# Altium PCB AD9361_EXT.PcbDoc (part 2 of 9) (continued)
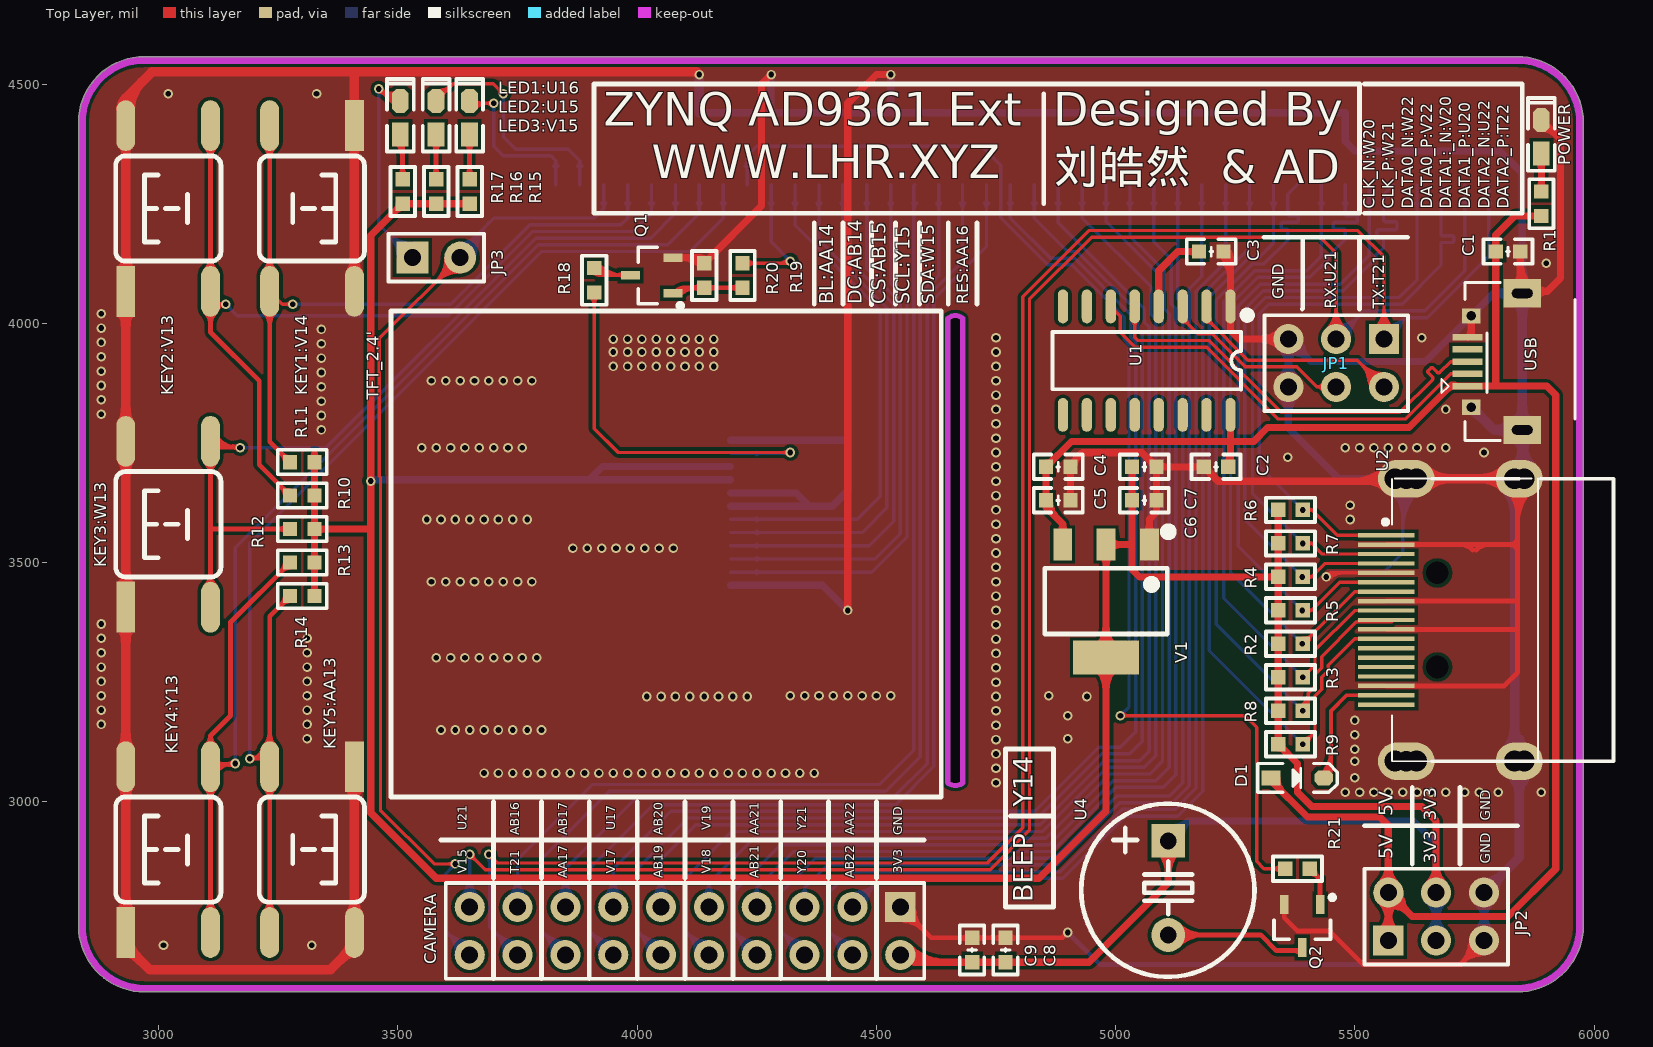
[diagram p0: Top Layer view]
## Nets (pads, with @x,y where several pads share a name; then routed paths per layer and width w, separated by ;. In a path a pad name is that pad's centre, name@x,y a point inside that pad or via, vN(x,y) a via of type N, cw(c..) or ccw(c..) an arc to the next point about the centre after c; other vN are vias at no path point) (continued)
; U2.MH3@5840.31,3653.86 cw(c5848.9,3648.9) U2.MH3@5850.78,3658.65 ; U2.MH3@5840.31,3653.86 cw(c5848.9,3648.9) U2.MH3@5850.78,3658.65 ; U2.MH3@5840.31,3653.86 cw(c5848.9,3648.9) U2.MH3@5850.78,3658.65 ; U2.MH3@5840.31,3653.86 cw(c5848.9,3648.9) U2.MH3@5850.78,3658.65 ; U2.MH3@5840.31,3653.86 cw(c5848.9,3648.9) U2.MH3@5850.78,3658.65 ; U2.MH3@5841.32,3664.13 cw(c5829.7,3654.1) U2.MH3@5842.99,3646.42 ; U2.MH3@5841.32,3664.13 cw(c5829.7,3654.1) U2.MH3@5842.99,3646.42 ; U2.MH3@5841.32,3664.13 cw(c5829.7,3654.1) U2.MH3@5842.99,3646.42 ; U2.MH3@5841.32,3664.13 cw(c5829.7,3654.1) U2.MH3@5842.99,3646.42 ; U2.MH3@5841.32,3664.13 cw(c5829.7,3654.1) U2.MH3@5842.99,3646.42 ; U2.MH3@5841.32,3664.13 cw(c5829.7,3654.1) U2.MH3@5842.99,3646.42 ; U2.MH3@5841.32,3664.13 cw(c5829.7,3654.1) U2.MH3@5842.99,3646.42 ; U2.MH3@5841.32,3664.13 cw(c5829.7,3654.1) U2.MH3@5842.99,3646.42 ; U2.MH3@5841.32,3664.13 cw(c5829.7,3654.1) U2.MH3@5842.99,3646.42 ; U2.MH3@5841.32,3664.13 cw(c5829.7,3654.1) U2.MH3@5842.99,3646.42 ; U2.MH3@5841.32,3664.13 cw(c5829.7,3654.1) U2.MH3@5842.99,3646.42 ; U2.MH3@5841.32,3664.13 cw(c5829.7,3654.1) U2.MH3@5842.99,3646.42 ; U2.MH3@5841.32,3664.13 cw(c5829.7,3654.1) U2.MH3@5842.99,3646.42 ; U2.MH3@5841.32,3664.13 cw(c5829.7,3654.1) U2.MH3@5842.99,3646.42 ; U2.MH3@5841.32,3664.13 cw(c5829.7,3654.1) U2.MH3@5842.99,3646.42 ; U2.MH3@5841.32,3664.13 cw(c5829.7,3654.1) U2.MH3@5842.99,3646.42 ; U2.MH3@5841.32,3664.13 cw(c5829.7,3654.1) U2.MH3@5842.99,3646.42 ; U2.MH3@5841.32,3664.13 cw(c5829.7,3654.1) U2.MH3@5842.99,3646.42 ; U2.MH3@5841.32,3664.13 cw(c5829.7,3654.1) U2.MH3@5842.99,3646.42 ; U2.MH3@5841.32,3664.13 cw(c5829.7,3654.1) U2.MH3@5842.99,3646.42 ; U2.MH3@5841.32,3664.13 cw(c5829.7,3654.1) U2.MH3@5842.99,3646.42 ; U2.MH3@5841.84,3663.55 cw(c5830.47,3652.8) U2.MH3@5844.02,3644.98 ; U2.MH3@5841.84,3663.55 cw(c5830.47,3652.8) U2.MH3@5844.02,3644.98 ; U2.MH3@5841.84,3663.55 cw(c5830.47,3652.8) U2.MH3@5844.02,3644.98 ; U2.MH3@5841.84,3663.55 cw(c5830.47,3652.8) U2.MH3@5844.02,3644.98 ; U2.MH3@5841.84,3663.55 cw(c5830.47,3652.8) U2.MH3@5844.02,3644.98 ; U2.MH3@5841.84,3663.55 cw(c5830.47,3652.8) U2.MH3@5844.02,3644.98 ; U2.MH3@5841.84,3663.55 cw(c5830.47,3652.8) U2.MH3@5844.02,3644.98 ; U2.MH3@5841.84,3663.55 cw(c5830.47,3652.8) U2.MH3@5844.02,3644.98 ; U2.MH3@5841.84,3663.55 cw(c5830.47,3652.8) U2.MH3@5844.02,3644.98 ; U2.MH3@5841.84,3663.55 cw(c5830.47,3652.8) U2.MH3@5844.02,3644.98 ; U2.MH3@5841.84,3663.55 cw(c5830.47,3652.8) U2.MH3@5844.02,3644.98 ; U2.MH3@5841.84,3663.55 cw(c5830.47,3652.8) U2.MH3@5844.02,3644.98 ; U2.MH3@5841.84,3663.55 cw(c5830.47,3652.8) U2.MH3@5844.02,3644.98 ; U2.MH3@5841.84,3663.55 cw(c5830.47,3652.8) U2.MH3@5844.02,3644.98 ; U2.MH3@5841.84,3663.55 cw(c5830.47,3652.8) U2.MH3@5844.02,3644.98 ; U2.MH3@5842.5,3662.9 cw(c5826.22,3645.66) 5846.71,3633.74 ; U2.MH3@5842.5,3662.9 cw(c5826.22,3645.66) 5846.71,3633.74 ; U2.MH3@5842.5,3662.9 cw(c5826.22,3645.66) 5846.71,3633.74 ; U2.MH3@5842.5,3662.9 cw(c5826.22,3645.66) 5846.71,3633.74 ; U2.MH3@5842.5,3662.9 cw(c5826.22,3645.66) 5846.71,3633.74 ; U2.MH3@5842.5,3662.9 cw(c5826.22,3645.66) 5846.71,3633.74 ; U2.MH3@5842.5,3662.9 cw(c5826.22,3645.66) 5846.71,3633.74 ; U2.MH3@5842.5,3662.9 cw(c5826.22,3645.66) 5846.71,3633.74 ; U2.MH3@5842.5,3662.9 cw(c5826.22,3645.66) 5846.71,3633.74 ; U2.MH3@5842.5,3662.9 cw(c5826.22,3645.66) 5846.71,3633.74 ; U2.MH3@5842.5,3662.9 cw(c5826.22,3645.66) 5846.71,3633.74 ; U2.MH3@5842.5,3662.9 cw(c5826.22,3645.66) 5846.71,3633.74 ; U2.MH3@5842.5,3662.9 cw(c5826.22,3645.66) 5846.71,3633.74 ; U2.MH3@5842.5,3662.9 cw(c5826.22,3645.66) 5846.71,3633.74 ; U2.MH3@5842.5,3662.9 cw(c5826.22,3645.66) 5846.71,3633.74 ; U2.MH3@5842.5,3662.9 cw(c5826.22,3645.66) 5846.71,3633.74 ; U2.MH3@5842.5,3662.9 cw(c5826.22,3645.66) 5846.71,3633.74 ; U2.MH3@5842.5,3662.9 cw(c5826.22,3645.66) 5846.71,3633.74 ; U2.MH3@5842.5,3662.9 cw(c5826.22,3645.66) 5846.71,3633.74 ; U2.MH3@5842.5,3662.9 cw(c5826.22,3645.66) 5846.71,3633.74 ; U2.MH3@5842.5,3662.9 cw(c5826.22,3645.66) 5846.71,3633.74 ; U2.MH3@5843.15,3661.13 cw(c5849.06,3652.23) U2.MH3@5857.79,3658.39 ; U2.MH3@5843.15,3661.13 cw(c5849.06,3652.23) U2.MH3@5857.79,3658.39 ; U2.MH3@5843.15,3661.13 cw(c5849.06,3652.23) U2.MH3@5857.79,3658.39 ; U2.MH3@5843.15,3661.13 cw(c5849.06,3652.23) U2.MH3@5857.79,3658.39 ; U2.MH3@5843.15,3661.13 cw(c5849.06,3652.23) U2.MH3@5857.79,3658.39 ; U2.MH3@5843.15,3661.13 cw(c5849.06,3652.23) U2.MH3@5857.79,3658.39 ; U2.MH3@5843.15,3661.13 cw(c5849.06,3652.23) U2.MH3@5857.79,3658.39 ; U2.MH3@5843.15,3661.13 cw(c5849.06,3652.23) U2.MH3@5857.79,3658.39 ; U2.MH3@5843.15,3661.13 cw(c5849.06,3652.23) U2.MH3@5857.79,3658.39 ; U2.MH3@5843.15,3661.13 cw(c5849.06,3652.23) U2.MH3@5857.79,3658.39 ; U2.MH3@5843.15,3661.13 cw(c5849.06,3652.23) U2.MH3@5857.79,3658.39 ; U2.MH3@5843.15,3661.13 cw(c5849.06,3652.23) U2.MH3@5857.79,3658.39 ; U2.MH3@5843.15,3661.13 cw(c5849.06,3652.23) U2.MH3@5857.79,3658.39 ; U2.MH3@5843.15,3661.13 cw(c5849.06,3652.23) U2.MH3@5857.79,3658.39 ; U2.MH3@5843.15,3661.13 cw(c5849.06,3652.23) U2.MH3@5857.79,3658.39 ; U2.MH3@5843.15,3661.13 cw(c5849.06,3652.23) U2.MH3@5857.79,3658.39 ; U2.MH3@5843.15,3661.13 cw(c5849.06,3652.23) U2.MH3@5857.79,3658.39 ; U2.MH3@5843.15,3661.13 cw(c5849.06,3652.23) U2.MH3@5857.79,3658.39 ; U2.MH3@5843.15,3661.13 cw(c5849.06,3652.23) U2.MH3@5857.79,3658.39 ; U2.MH3@5843.15,3661.13 cw(c5849.06,3652.23) U2.MH3@5857.79,3658.39 ; U2.MH3@5843.28,3662.21 cw(c5829.05,3645.13) 5848.14,3633.75 ; U2.MH3@5843.28,3662.21 cw(c5829.05,3645.13) 5848.14,3633.75 ; U2.MH3@5843.28,3662.21 cw(c5829.05,3645.13) 5848.14,3633.75 ; U2.MH3@5843.28,3662.21 cw(c5829.05,3645.13) 5848.14,3633.75 ; U2.MH3@5843.28,3662.21 cw(c5829.05,3645.13) 5848.14,3633.75 ; U2.MH3@5843.28,3662.21 cw(c5829.05,3645.13) 5848.14,3633.75 ; U2.MH3@5843.28,3662.21 cw(c5829.05,3645.13) 5848.14,3633.75 ; U2.MH3@5843.28,3662.21 cw(c5829.05,3645.13) 5848.14,3633.75 ; U2.MH3@5843.28,3662.21 cw(c5829.05,3645.13) 5848.14,3633.75 ; U2.MH3@5843.28,3662.21 cw(c5829.05,3645.13) 5848.14,3633.75 ; U2.MH3@5843.28,3662.21 cw(c5829.05,3645.13) 5848.14,3633.75 ; U2.MH3@5843.28,3662.21 cw(c5829.05,3645.13) 5848.14,3633.75 ; U2.MH3@5843.28,3662.21 cw(c5829.05,3645.13) 5848.14,3633.75 ; U2.MH3@5843.28,3662.21 cw(c5829.05,3645.13) 5848.14,3633.75 ; U2.MH3@5843.28,3662.21 cw(c5829.05,3645.13) 5848.14,3633.75 ; U2.MH3@5843.81,3647.83 cw(c5864.4,3635.94) U2.MH3@5858.25,3658.91 ; U2.MH3@5843.81,3647.83 cw(c5864.4,3635.94) U2.MH3@5858.25,3658.91 ; U2.MH3@5843.81,3647.83 cw(c5864.4,3635.94) U2.MH3@5858.25,3658.91 ; U2.MH3@5843.81,3647.83 cw(c5864.4,3635.94) U2.MH3@5858.25,3658.91 ; U2.MH3@5843.81,3647.83 cw(c5864.4,3635.94) U2.MH3@5858.25,3658.91 ; U2.MH3@5843.81,3647.83 cw(c5864.4,3635.94) U2.MH3@5858.25,3658.91 ; U2.MH3@5843.81,3647.83 cw(c5864.4,3635.94) U2.MH3@5858.25,3658.91 ; U2.MH3@5843.81,3647.83 cw(c5864.4,3635.94) U2.MH3@5858.25,3658.91 ; U2.MH3@5843.81,3647.83 cw(c5864.4,3635.94) U2.MH3@5858.25,3658.91 ; U2.MH3@5843.81,3647.83 cw(c5864.4,3635.94) U2.MH3@5858.25,3658.91 ; U2.MH3@5843.81,3647.83 cw(c5864.4,3635.94) U2.MH3@5858.25,3658.91 ; U2.MH3@5843.81,3647.83 cw(c5864.4,3635.94) U2.MH3@5858.25,3658.91 ; U2.MH3@5843.81,3647.83 cw(c5864.4,3635.94) U2.MH3@5858.25,3658.91 ; U2.MH3@5843.81,3647.83 cw(c5864.4,3635.94) U2.MH3@5858.25,3658.91 ; U2.MH3@5843.81,3647.83 cw(c5864.4,3635.94) U2.MH3@5858.25,3658.91 ; U2.MH3@5843.81,3647.83 cw(c5864.4,3635.94) U2.MH3@5858.25,3658.91 ; U2.MH3@5843.81,3647.83 cw(c5864.4,3635.94) U2.MH3@5858.25,3658.91 ; U2.MH3@5843.81,3647.83 cw(c5864.4,3635.94) U2.MH3@5858.25,3658.91 ; U2.MH3@5843.81,3647.83 cw(c5864.4,3635.94) U2.MH3@5858.25,3658.91 ; U2.MH3@5843.81,3647.83 cw(c5864.4,3635.94) U2.MH3@5858.25,3658.91 ; U2.MH3@5843.81,3647.83 cw(c5864.4,3635.94) U2.MH3@5858.25,3658.91 ; U2.MH3@5846.16,3655.57 cw(c5853.41,3659.49) U2.MH3@5846.96,3664.62 ; U2.MH3@5846.16,3655.57 cw(c5853.41,3659.49) U2.MH3@5846.96,3664.62 ; U2.MH3@5846.16,3655.57 cw(c5853.41,3659.49) U2.MH3@5846.96,3664.62 ; U2.MH3@5846.16,3655.57 cw(c5853.41,3659.49) U2.MH3@5846.96,3664.62 ; U2.MH3@5846.16,3655.57 cw(c5853.41,3659.49) U2.MH3@5846.96,3664.62 ; U2.MH3@5846.16,3655.57 cw(c5853.41,3659.49) U2.MH3@5846.96,3664.62 ; U2.MH3@5846.16,3655.57 cw(c5853.41,3659.49) U2.MH3@5846.96,3664.62 ; U2.MH3@5846.16,3655.57 cw(c5853.41,3659.49) U2.MH3@5846.96,3664.62 ; U2.MH3@5846.16,3655.57 cw(c5853.41,3659.49) U2.MH3@5846.96,3664.62 ; U2.MH3@5846.16,3655.57 cw(c5853.41,3659.49) U2.MH3@5846.96,3664.62 ; U2.MH3@5846.16,3655.57 cw(c5853.41,3659.49) U2.MH3@5846.96,3664.62 ; U2.MH3@5846.16,3655.57 cw(c5853.41,3659.49) U2.MH3@5846.96,3664.62 ; U2.MH3@5846.16,3655.57 cw(c5853.41,3659.49) U2.MH3@5846.96,3664.62 ; U2.MH3@5846.16,3655.57 cw(c5853.41,3659.49) U2.MH3@5846.96,3664.62 ; U2.MH3@5846.16,3655.57 cw(c5853.41,3659.49) U2.MH3@5846.96,3664.62 ; U2.MH3@5846.16,3655.57 cw(c5853.41,3659.49) U2.MH3@5846.96,3664.62 ; U2.MH3@5846.16,3655.57 cw(c5853.41,3659.49) U2.MH3@5846.96,3664.62 ; U2.MH3@5846.16,3655.57 cw(c5853.41,3659.49) U2.MH3@5846.96,3664.62 ; U2.MH3@5846.16,3655.57 cw(c5853.41,3659.49) U2.MH3@5846.96,3664.62 ; U2.MH3@5846.16,3655.57 cw(c5853.41,3659.49) U2.MH3@5846.96,3664.62 ; U2.MH3@5847.16,3650.4 cw(c5862.97,3641.27) U2.MH3@5858.25,3658.91 ; U2.MH3@5847.16,3650.4 cw(c5862.97,3641.27) U2.MH3@5858.25,3658.91 ; U2.MH3@5847.16,3650.4 cw(c5862.97,3641.27) U2.MH3@5858.25,3658.91 ; U2.MH3@5847.16,3650.4 cw(c5862.97,3641.27) U2.MH3@5858.25,3658.91 ; U2.MH3@5847.16,3650.4 cw(c5862.97,3641.27) U2.MH3@5858.25,3658.91 ; U2.MH3@5847.16,3650.4 cw(c5862.97,3641.27) U2.MH3@5858.25,3658.91 ; U2.MH3@5847.16,3650.4 cw(c5862.97,3641.27) U2.MH3@5858.25,3658.91 ; U2.MH3@5847.16,3650.4 cw(c5862.97,3641.27) U2.MH3@5858.25,3658.91 ; U2.MH3@5847.16,3650.4 cw(c5862.97,3641.27) U2.MH3@5858.25,3658.91 ; U2.MH3@5847.16,3650.4 cw(c5862.97,3641.27) U2.MH3@5858.25,3658.91 ; U2.MH3@5847.16,3650.4 cw(c5862.97,3641.27) U2.MH3@5858.25,3658.91 ; U2.MH3@5847.16,3650.4 cw(c5862.97,3641.27) U2.MH3@5858.25,3658.91 ; U2.MH3@5847.16,3650.4 cw(c5862.97,3641.27) U2.MH3@5858.25,3658.91 ; U2.MH3@5847.16,3650.4 cw(c5862.97,3641.27) U2.MH3@5858.25,3658.91 ; U2.MH3@5847.16,3650.4 cw(c5862.97,3641.27) U2.MH3@5858.25,3658.91 ; U2.MH3@5848.67,3667.24 ccw(c5862.25,3660.09) U2.MH3@5849.18,3652.04 ; U2.MH3@5848.67,3667.24 ccw(c5862.25,3660.09) U2.MH3@5849.18,3652.04 ; U2.MH3@5848.67,3667.24 ccw(c5862.25,3660.09) U2.MH3@5849.18,3652.04 ; U2.MH3@5848.67,3667.24 ccw(c5862.25,3660.09) U2.MH3@5849.18,3652.04 ; U2.MH3@5848.67,3667.24 ccw(c5862.25,3660.09) U2.MH3@5849.18,3652.04 ; U2.MH3@5848.67,3667.24 ccw(c5862.25,3660.09) U2.MH3@5849.18,3652.04 ; U2.MH3@5848.67,3667.24 ccw(c5862.25,3660.09) U2.MH3@5849.18,3652.04 ; U2.MH3@5848.67,3667.24 ccw(c5862.25,3660.09) U2.MH3@5849.18,3652.04 ; U2.MH3@5848.67,3667.24 ccw(c5862.25,3660.09) U2.MH3@5849.18,3652.04 ; U2.MH3@5848.67,3667.24 ccw(c5862.25,3660.09) U2.MH3@5849.18,3652.04 ; U2.MH3@5848.67,3667.24 ccw(c5862.25,3660.09) U2.MH3@5849.18,3652.04 ; U2.MH3@5848.67,3667.24 ccw(c5862.25,3660.09) U2.MH3@5849.18,3652.04 ; U2.MH3@5848.67,3667.24 ccw(c5862.25,3660.09) U2.MH3@5849.18,3652.04 ; U2.MH3@5848.67,3667.24 ccw(c5862.25,3660.09) U2.MH3@5849.18,3652.04 ; U2.MH3@5848.67,3667.24 ccw(c5862.25,3660.09) U2.MH3@5849.18,3652.04 ; U2.MH3@5848.67,3667.24 ccw(c5862.25,3660.09) U2.MH3@5849.18,3652.04 ; U2.MH3@5848.67,3667.24 ccw(c5862.25,3660.09) U2.MH3@5849.18,3652.04 ; U2.MH3@5848.67,3667.24 ccw(c5862.25,3660.09) U2.MH3@5849.18,3652.04 ; U2.MH3@5848.67,3667.24 ccw(c5862.25,3660.09) U2.MH3@5849.18,3652.04 ; U2.MH3@5848.67,3667.24 ccw(c5862.25,3660.09) U2.MH3@5849.18,3652.04 ; U2.MH3@5848.67,3667.24 ccw(c5862.25,3660.09) U2.MH3@5849.18,3652.04 ; U2.MH3@5848.67,3667.24 ccw(c5862.25,3660.09) U2.MH3@5849.18,3652.04 ; U2.MH3@5848.67,3667.24 ccw(c5862.25,3660.09) U2.MH3@5849.18,3652.04 ; U2.MH3@5848.67,3667.24 ccw(c5862.25,3660.09) U2.MH3@5849.18,3652.04 ; U2.MH3@5848.67,3667.24 ccw(c5862.25,3660.09) U2.MH3@5849.18,3652.04 ; U2.MH3@5848.67,3667.24 ccw(c5862.25,3660.09) U2.MH3@5849.18,3652.04 ; U2.MH3@5848.67,3667.24 ccw(c5862.25,3660.09) U2.MH3@5849.18,3652.04 ; U2.MH3@5848.67,3667.24 ccw(c5862.25,3660.09) U2.MH3@5849.18,3652.04 ; U2.MH3@5848.67,3667.24 ccw(c5862.25,3660.09) U2.MH3@5849.18,3652.04 ; U2.MH3@5848.67,3667.24 ccw(c5862.25,3660.09) U2.MH3@5849.18,3652.04 ; U2.MH3@5848.67,3667.24 ccw(c5862.25,3660.09) U2.MH3@5849.18,3652.04 ; U2.MH3@5848.67,3667.24 ccw(c5862.25,3660.09) U2.MH3@5849.18,3652.04 ; U2.MH3@5848.67,3667.24 ccw(c5862.25,3660.09) U2.MH3@5849.18,3652.04 ; U2.MH3@5848.67,3667.24 ccw(c5862.25,3660.09) U2.MH3@5849.18,3652.04 ; U2.MH3@5848.67,3667.24 ccw(c5862.25,3660.09) U2.MH3@5849.18,3652.04 ; U2.MH3@5848.84,3667.56 ccw(c5861.8,3661.09) U2.MH3@5849.96,3652.73 ; U2.MH3@5848.84,3667.56 ccw(c5861.8,3661.09) U2.MH3@5849.96,3652.73 ; U2.MH3@5848.84,3667.56 ccw(c5861.8,3661.09) U2.MH3@5849.96,3652.73 ; U2.MH3@5848.84,3667.56 ccw(c5861.8,3661.09) U2.MH3@5849.96,3652.73 ; U2.MH3@5848.84,3667.56 ccw(c5861.8,3661.09) U2.MH3@5849.96,3652.73 ; U2.MH3@5848.84,3667.56 ccw(c5861.8,3661.09) U2.MH3@5849.96,3652.73 ; U2.MH3@5848.84,3667.56 ccw(c5861.8,3661.09) U2.MH3@5849.96,3652.73 ; U2.MH3@5848.84,3667.56 ccw(c5861.8,3661.09) U2.MH3@5849.96,3652.73 ; U2.MH3@5848.84,3667.56 ccw(c5861.8,3661.09) U2.MH3@5849.96,3652.73 ; U2.MH3@5848.84,3667.56 ccw(c5861.8,3661.09) U2.MH3@5849.96,3652.73 ; U2.MH3@5848.84,3667.56 ccw(c5861.8,3661.09) U2.MH3@5849.96,3652.73 ; U2.MH3@5848.84,3667.56 ccw(c5861.8,3661.09) U2.MH3@5849.96,3652.73 ; U2.MH3@5848.84,3667.56 ccw(c5861.8,3661.09) U2.MH3@5849.96,3652.73 ; U2.MH3@5848.84,3667.56 ccw(c5861.8,3661.09) U2.MH3@5849.96,3652.73 ; U2.MH3@5848.84,3667.56 ccw(c5861.8,3661.09) U2.MH3@5849.96,3652.73 ; U2.MH3@5848.84,3667.56 ccw(c5861.8,3661.09) U2.MH3@5849.96,3652.73 ; U2.MH3@5848.84,3667.56 ccw(c5861.8,3661.09) U2.MH3@5849.96,3652.73 ; U2.MH3@5848.84,3667.56 ccw(c5861.8,3661.09) U2.MH3@5849.96,3652.73 ; U2.MH3@5848.84,3667.56 ccw(c5861.8,3661.09) U2.MH3@5849.96,3652.73 ; U2.MH3@5848.84,3667.56 ccw(c5861.8,3661.09) U2.MH3@5849.96,3652.73 ; U2.MH3@5849.37,3670.16 cw(c5835.11,3655.08) U2.MH3@5853.05,3644.64 ; U2.MH3@5849.37,3670.16 cw(c5835.11,3655.08) U2.MH3@5853.05,3644.64 ; U2.MH3@5849.37,3670.16 cw(c5835.11,3655.08) U2.MH3@5853.05,3644.64 ; U2.MH3@5849.37,3670.16 cw(c5835.11,3655.08) U2.MH3@5853.05,3644.64 ; U2.MH3@5849.37,3670.16 cw(c5835.11,3655.08) U2.MH3@5853.05,3644.64 ; U2.MH3@5849.37,3670.16 cw(c5835.11,3655.08) U2.MH3@5853.05,3644.64 ; U2.MH3@5849.37,3670.16 cw(c5835.11,3655.08) U2.MH3@5853.05,3644.64 ; U2.MH3@5849.37,3670.16 cw(c5835.11,3655.08) U2.MH3@5853.05,3644.64 ; U2.MH3@5849.37,3670.16 cw(c5835.11,3655.08) U2.MH3@5853.05,3644.64 ; U2.MH3@5849.37,3670.16 cw(c5835.11,3655.08) U2.MH3@5853.05,3644.64 ; U2.MH3@5849.37,3670.16 cw(c5835.11,3655.08) U2.MH3@5853.05,3644.64 ; U2.MH3@5849.37,3670.16 cw(c5835.11,3655.08) U2.MH3@5853.05,3644.64 ; U2.MH3@5849.37,3670.16 cw(c5835.11,3655.08) U2.MH3@5853.05,3644.64 ; U2.MH3@5849.37,3670.16 cw(c5835.11,3655.08) U2.MH3@5853.05,3644.64 ; U2.MH3@5849.37,3670.16 cw(c5835.11,3655.08) U2.MH3@5853.05,3644.64 ; U2.MH3@5849.37,3670.16 cw(c5835.11,3655.08) U2.MH3@5853.05,3644.64 ; U2.MH3@5849.37,3670.16 cw(c5835.11,3655.08) U2.MH3@5853.05,3644.64 ; U2.MH3@5849.37,3670.16 cw(c5835.11,3655.08) U2.MH3@5853.05,3644.64 ; U2.MH3@5849.37,3670.16 cw(c5835.11,3655.08) U2.MH3@5853.05,3644.64 ; U2.MH3@5849.37,3670.16 cw(c5835.11,3655.08) U2.MH3@5853.05,3644.64 ; U2.MH3@5849.37,3670.16 cw(c5835.11,3655.08) U2.MH3@5853.05,3644.64 ; U2.MH3@5849.68,3669.89 cw(c5836.64,3654.24) U2.MH3@5854.13,3643.81 ; U2.MH3@5849.68,3669.89 cw(c5836.64,3654.24) U2.MH3@5854.13,3643.81 ; U2.MH3@5849.68,3669.89 cw(c5836.64,3654.24) U2.MH3@5854.13,3643.81 ; U2.MH3@5849.68,3669.89 cw(c5836.64,3654.24) U2.MH3@5854.13,3643.81 ; U2.MH3@5849.68,3669.89 cw(c5836.64,3654.24) U2.MH3@5854.13,3643.81 ; U2.MH3@5849.68,3669.89 cw(c5836.64,3654.24) U2.MH3@5854.13,3643.81 ; U2.MH3@5849.68,3669.89 cw(c5836.64,3654.24) U2.MH3@5854.13,3643.81 ; U2.MH3@5849.68,3669.89 cw(c5836.64,3654.24) U2.MH3@5854.13,3643.81 ; U2.MH3@5849.68,3669.89 cw(c5836.64,3654.24) U2.MH3@5854.13,3643.81 ; U2.MH3@5849.68,3669.89 cw(c5836.64,3654.24) U2.MH3@5854.13,3643.81 ; U2.MH3@5849.68,3669.89 cw(c5836.64,3654.24) U2.MH3@5854.13,3643.81 ; U2.MH3@5849.68,3669.89 cw(c5836.64,3654.24) U2.MH3@5854.13,3643.81 ; U2.MH3@5849.68,3669.89 cw(c5836.64,3654.24) U2.MH3@5854.13,3643.81 ; U2.MH3@5849.68,3669.89 cw(c5836.64,3654.24) U2.MH3@5854.13,3643.81 ; U2.MH3@5849.68,3669.89 cw(c5836.64,3654.24) U2.MH3@5854.13,3643.81 ; U2.MH3@5856.08,3677.57 cw(c5844.23,3663.35) U2.MH3@5860.13,3653.86 ; U2.MH3@5856.08,3677.57 cw(c5844.23,3663.35) U2.MH3@5860.13,3653.86 ; U2.MH3@5856.08,3677.57 cw(c5844.23,3663.35) U2.MH3@5860.13,3653.86 ; U2.MH3@5856.08,3677.57 cw(c5844.23,3663.35) U2.MH3@5860.13,3653.86 ; U2.MH3@5856.08,3677.57 cw(c5844.23,3663.35) U2.MH3@5860.13,3653.86 ; U2.MH3@5856.08,3677.57 cw(c5844.23,3663.35) U2.MH3@5860.13,3653.86 ; U2.MH3@5856.08,3677.57 cw(c5844.23,3663.35) U2.MH3@5860.13,3653.86 ; U2.MH3@5856.08,3677.57 cw(c5844.23,3663.35) U2.MH3@5860.13,3653.86 ; U2.MH3@5856.08,3677.57 cw(c5844.23,3663.35) U2.MH3@5860.13,3653.86 ; U2.MH3@5856.08,3677.57 cw(c5844.23,3663.35) U2.MH3@5860.13,3653.86 ; U2.MH3@5856.08,3677.57 cw(c5844.23,3663.35) U2.MH3@5860.13,3653.86 ; U2.MH3@5856.08,3677.57 cw(c5844.23,3663.35) U2.MH3@5860.13,3653.86 ; U2.MH3@5856.08,3677.57 cw(c5844.23,3663.35) U2.MH3@5860.13,3653.86 ; U2.MH3@5856.08,3677.57 cw(c5844.23,3663.35) U2.MH3@5860.13,3653.86 ; U2.MH3@5856.08,3677.57 cw(c5844.23,3663.35) U2.MH3@5860.13,3653.86